# KiCad board kim-1.kicad_pcb (continued)
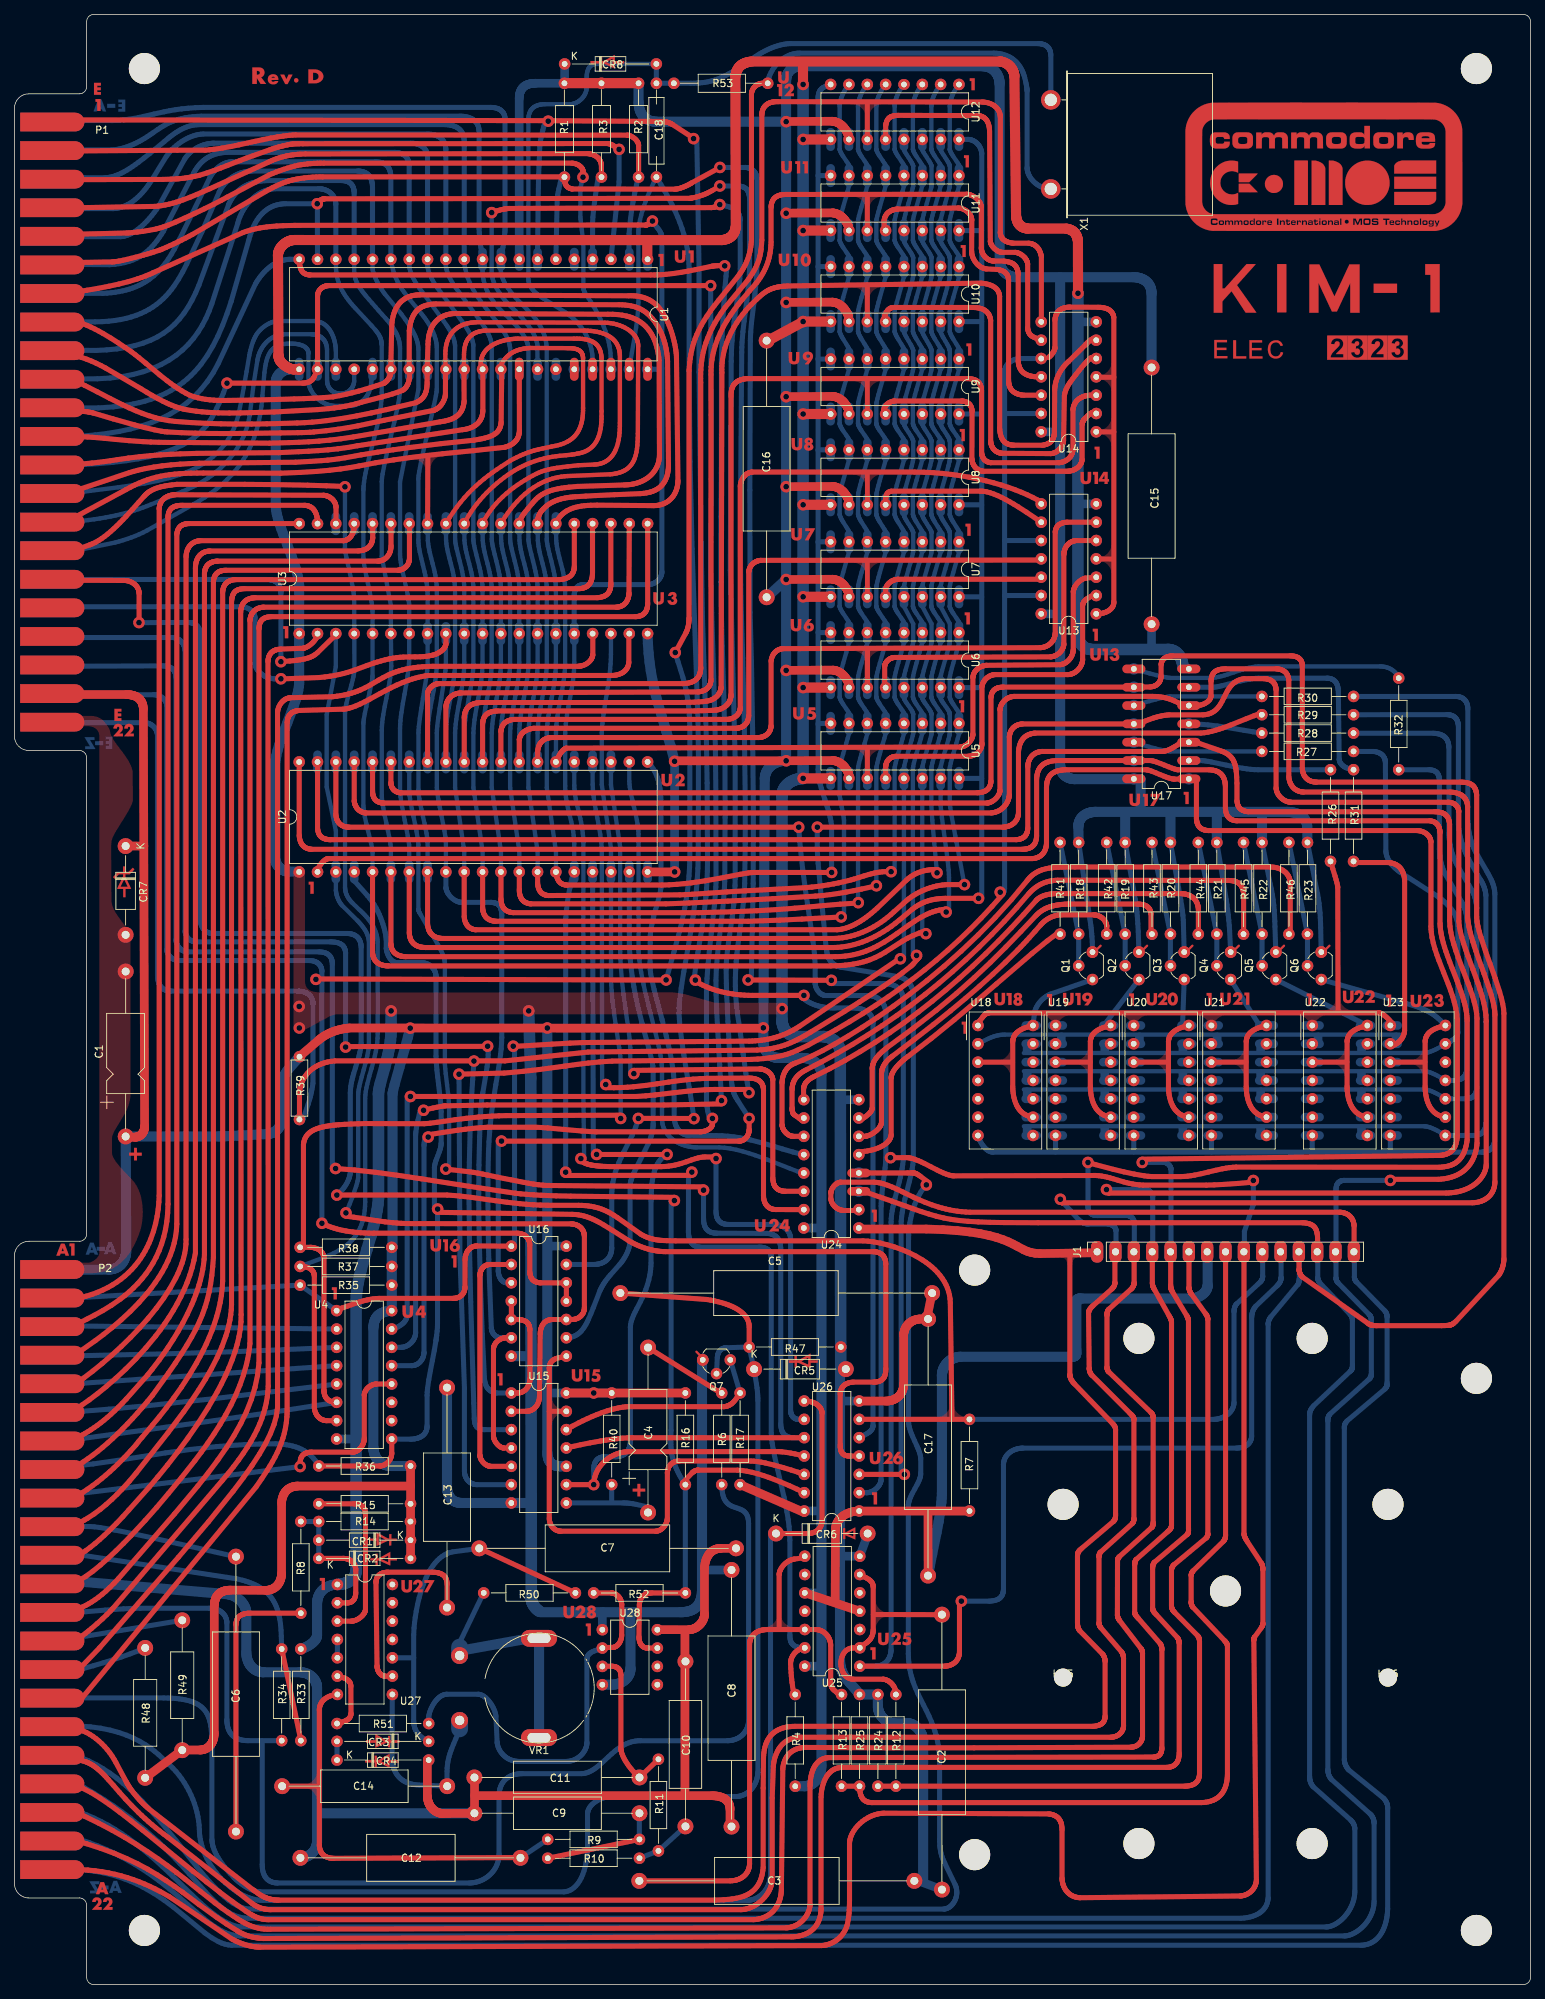
[diagram p0: board, top side]
## Routing (per net, layer and track width the routed paths; a pad name or vN(x,y) marks a point on that pad's centre or on a via; arc(x,y) is an arc through that point) (continued)
/G: length 114.7
  Bottom w0.6: 198.2,125.28 197.89,125.48 197.54,125.69 197.12,125.92 196.89,126.04 196.65,126.16 196.4,126.27 196.16,126.36 195.92,126.44 195.7,126.51 195.48,126.55 195.38,126.55 195.28,126.56 139.82,126.56
  Bottom w0.7: 191.74,168.34 195.92,168.34 196.09,168.33 196.24,168.31 196.39,168.28 196.46,168.26 196.53,168.24 196.59,168.21 196.65,168.19 196.71,168.16 196.77,168.13 196.82,168.1 196.88,168.06 196.93,168.02 196.97,167.98 197.02,167.94 197.06,167.89 197.1,167.84 197.14,167.79 197.17,167.73 197.2,167.67 197.23,167.61 197.26,167.55 197.28,167.48 197.3,167.41 197.32,167.34 197.34,167.26 197.35,167.18 197.36,167.1 197.37,167.01 197.37,166.92 197.37,157.31 197.39,156.86 197.41,156.63 197.43,156.4 197.46,156.18 197.5,155.95 197.54,155.73 197.59,155.51 197.64,155.28 197.7,155.06 197.77,154.84 197.85,154.62 197.94,154.4 198.04,154.18 198.14,153.96 198.26,153.75 200.3,150.26 200.38,150.12 200.47,149.97 200.55,149.83 200.63,149.68 200.7,149.53 200.77,149.38 200.83,149.23 200.89,149.07 200.95,148.92 200.99,148.76 201.04,148.6 201.08,148.43 201.11,148.26 201.13,148.09 201.15,147.92 201.16,147.75 201.16,126.85 201.16,126.77 201.15,126.69 201.14,126.61 201.13,126.53 201.11,126.46 201.09,126.38 201.07,126.31 201.04,126.24 201.01,126.17 200.98,126.1 200.95,126.04 200.91,125.98 200.87,125.92 200.82,125.86 200.78,125.8 200.73,125.75 200.67,125.7 200.62,125.65 200.56,125.6 200.5,125.56 200.43,125.52 200.36,125.48 200.29,125.45 200.22,125.42 200.15,125.39 200.07,125.36 199.99,125.34 199.9,125.32 199.81,125.31 199.72,125.29 199.63,125.29 199.54,125.28 198.2,125.28
  Bottom w1.2: 161.84,126.25 161.84,125.3 ; 186.58,126.25 186.58,125.3 ; 140.27,126.25 140.27,125.3 ; 151.02,126.25 151.02,125.3 ; 172.61,126.25 172.61,125.3
/K0: length 268
  Top w0.7: 122.56,142.14 108.76,132.8 108.31,132.52 107.86,132.26 107.41,132.02 106.97,131.81 106.52,131.63 106.08,131.46 105.64,131.32 105.21,131.19 104.78,131.08 104.34,130.99 103.91,130.92 103.49,130.86 103.06,130.81 102.63,130.77 102.21,130.75 101.79,130.73 78.73,130.53 76.94,130.46 74.46,130.31 69.09,129.99 ; 68.82,102.32 64.07,102.35 63.97,102.34 63.87,102.33 63.77,102.32 63.68,102.3 63.59,102.28 63.5,102.25 63.42,102.21 63.34,102.18 63.26,102.13 63.19,102.09 63.12,102.04 63.06,101.98 62.99,101.93 62.93,101.87 62.88,101.8 62.83,101.73 62.78,101.66 62.73,101.59 62.69,101.52 62.65,101.44 62.57,101.28 62.52,101.11 62.47,100.93 62.44,100.75 62.42,100.57 62.41,100.38 62.41,96.7 62.41,96.61 62.4,96.52 62.39,96.44 62.38,96.35 62.36,96.27 62.34,96.2 62.32,96.12 62.29,96.04 62.26,95.97 62.23,95.9 62.19,95.84 62.16,95.77 62.11,95.71 62.07,95.65 62.02,95.59 61.97,95.54 61.92,95.49 61.86,95.44 61.8,95.39 61.74,95.35 61.67,95.31 61.6,95.27 61.53,95.24 61.46,95.21 61.38,95.18 61.3,95.16 61.22,95.14 61.13,95.12 61.05,95.11 60.96,95.1 60.86,95.09 60.77,95.09 50.53,95.09 50.09,95.06 49.67,95.01 49.27,94.95 48.88,94.87 48.51,94.79 48.14,94.69 47.78,94.58 47.43,94.47 46.06,93.98 45.37,93.75 45.01,93.64 44.65,93.54
  Bottom w0.6: 123.2,142.14 123.2,168.53 123.22,168.68 123.26,168.9 123.4,169.49 123.61,170.22 123.84,171.01 124.28,172.51 124.43,173.08 124.47,173.28 124.49,173.42 124.49,175.99 124.48,176.06 124.47,176.12 124.46,176.19 124.43,176.25 124.4,176.33 124.37,176.4 124.29,176.55 124.19,176.71 124.08,176.87 123.85,177.19 123.62,177.52 123.51,177.67 123.41,177.83 123.33,177.97 123.29,178.04 123.27,178.1 123.24,178.17 123.22,178.23 123.21,178.28 123.2,178.34 123.2,181.13 123.22,181.28 123.26,181.49 123.41,182.07 123.85,183.6 124.09,184.4 124.29,185.13 124.44,185.72 124.48,185.94 124.49,186.1 124.49,188.56 123.2,190.97 123.2,193.66 123.22,193.81 123.26,194.03 123.41,194.62 123.86,196.16 124.09,196.97 124.3,197.71 124.44,198.3 124.48,198.52 124.49,198.67 124.49,201.18 124.48,201.23 124.47,201.28 124.45,201.34 124.43,201.41 124.37,201.55 124.28,201.7 124.19,201.86 124.08,202.04 123.85,202.4 123.61,202.76 123.51,202.94 123.41,203.11 123.33,203.28 123.26,203.43 123.24,203.5 123.22,203.56 123.21,203.63 123.2,203.68 123.2,206.38 123.22,206.53 123.26,206.74 123.41,207.33 123.85,208.89 124.09,209.71 124.29,210.46 124.44,211.05 124.48,211.28 124.49,211.43 124.49,213.81 124.49,213.87 124.48,213.93 124.46,214 124.43,214.07 124.37,214.22 124.29,214.38 124.19,214.55 124.09,214.73 123.85,215.09 123.61,215.45 123.51,215.62 123.41,215.78 123.33,215.93 123.26,216.07 123.24,216.14 123.22,216.2 123.21,216.25 123.2,216.3 123.2,218.96 123.22,219.11 123.26,219.32 123.41,219.91 123.85,221.46 124.09,222.28 124.3,223.02 124.44,223.62 124.48,223.83 124.49,223.99 124.49,226.39 124.49,226.44 124.48,226.51 124.46,226.57 124.44,226.64 124.37,226.8 124.29,226.97 124.2,227.16 124.09,227.35 123.85,227.75 123.62,228.15 123.51,228.34 123.41,228.52 123.33,228.69 123.26,228.84 123.22,228.98 123.21,229.04 123.2,229.09 123.2,231.76 123.22,231.89 123.26,232.1 123.41,232.68 123.86,234.24 124.09,235.07 124.3,235.84 124.44,236.46 124.48,236.69 124.49,236.86 124.49,239.23 124.48,239.29 124.47,239.35 124.45,239.42 124.43,239.49 124.37,239.63 124.29,239.79 124.19,239.96 124.08,240.13 123.85,240.48 123.62,240.83 123.51,240.99 123.41,241.15 123.33,241.31 123.27,241.45 123.24,241.51 123.22,241.58 123.21,241.63 123.2,241.69 123.2,244.37 123.22,244.5 123.26,244.71 123.4,245.28 123.83,246.83 124.28,248.38 124.43,248.96 124.47,249.16 124.49,249.3 124.49,251.97 124.48,252.02 124.47,252.07 124.43,252.19 124.36,252.33 124.28,252.48 124.18,252.65 124.07,252.82 123.84,253.18 123.61,253.53 123.4,253.86 123.32,254 123.26,254.12 123.22,254.22 123.21,254.26 123.2,254.3
  Bottom w0.7: 8.24,95.15 39.57,96.93 44.63,93.37 ; 69.27,102.32 69.27,130.03
  vias: v1(69.09,130.03) v1(122.71,142.14)
/K1: length 36.8
  Bottom w0.7: 7.86,91.27 44.63,90.84
/K2: length 37
  Bottom w0.7: 44.63,88.3 44.61,88.29 30.54,87.7 21.02,87.4 7.63,87.11
/K3: length 37
  Bottom w0.7: 7.69,83.21 44.63,85.76
/K4: length 37.3
  Bottom w0.7: 44.62,83.21 27.43,81.17 18.16,80.19 13.06,79.73 7.51,79.3
/K5: length 189.7
  Top w0.7: 83.98,120.47 68.12,120.41 67.11,120.38 66.13,120.34 65.18,120.28 64.28,120.21 62.59,120.04 61.07,119.85 58.55,119.49 57.56,119.36 57.13,119.31 56.76,119.29 48.62,119.31 47.59,119.28 46.63,119.25 45.74,119.2 44.92,119.14 44.53,119.11 44.16,119.07 43.81,119.03 43.47,118.98 43.15,118.92 42.85,118.87 42.56,118.8 42.29,118.73 42.04,118.65 41.8,118.56 41.57,118.47 41.37,118.37 41.17,118.26 41,118.14 40.83,118.01 40.69,117.88 40.55,117.73 40.44,117.58 40.33,117.41 40.24,117.23 40.17,117.05 40.11,116.85 40.06,116.63 40.03,116.41 40.03,102.16 ; 39.58,102.16 40.97,102.16 41.14,102.15 41.31,102.13 41.47,102.1 41.64,102.06 41.8,102 41.96,101.94 42.11,101.86 42.25,101.77 42.31,101.72 42.38,101.67 42.44,101.62 42.5,101.56 42.55,101.5 42.6,101.44 42.65,101.37 42.69,101.3 42.73,101.23 42.76,101.15 42.79,101.07 42.82,100.99 42.84,100.91 42.86,100.82 42.87,100.73 42.87,100.63 42.87,82.43 42.87,82.32 42.88,82.22 42.88,82.12 42.89,82.03 42.91,81.94 42.93,81.85 42.95,81.76 42.97,81.68 43,81.6 43.03,81.53 43.07,81.45 43.11,81.39 43.15,81.32 43.2,81.26 43.24,81.2 43.3,81.14 43.35,81.09 43.41,81.04 43.48,80.99 43.54,80.95 43.61,80.91 43.69,80.87 43.76,80.84 43.84,80.81 43.93,80.78 44.02,80.76 44.11,80.74 44.2,80.73 44.3,80.71 44.4,80.7 44.51,80.7 44.62,80.69
  Bottom w0.6: 83.97,120.01 83.97,127.98 83.91,128.74 83.76,129.84 83.32,132.76 83.08,134.42 82.87,136.12 82.71,137.77 82.66,138.55 82.63,139.3 82.63,157.44 81.35,166.28 81.35,173.44 81.39,174.08 81.44,174.73 81.6,176.06 81.81,177.43 82.03,178.82 82.25,180.22 82.44,181.61 82.51,182.31 82.57,183 82.61,183.68 82.62,184.35 82.62,187.18
  Bottom w0.7: 44.63,80.68 35.89,79.33 26.65,78.01 7.39,75.4
  vias: v1(83.97,120.02)
/K6: length 181.2
  Top w0.7: 45.85,207.59 43.21,207.69 40.61,207.76 36.27,207.85 31.9,207.88 22.48,207.88 21.79,207.8 21.46,207.76 21.13,207.71 20.81,207.65 20.49,207.58 20.19,207.51 19.9,207.43 19.61,207.33 19.34,207.22 19.08,207.1 18.82,206.96 18.7,206.89 18.59,206.81 18.47,206.72 18.36,206.63 18.25,206.54 18.15,206.44 18.05,206.33 17.95,206.22 17.19,205.37 16.33,204.4 15.46,203.45 15.03,202.99 14.6,202.55 14.18,202.13 13.75,201.73 13.33,201.35 12.91,200.99 12.49,200.66 12.07,200.36 11.66,200.09 11.25,199.86 10.84,199.66 10.63,199.58 10.43,199.5 7.9,198.57 ; 39.57,99.52 39.78,99.51 39.98,99.5 40.17,99.47 40.35,99.44 40.52,99.39 40.68,99.34 40.83,99.27 40.97,99.2 41.03,99.15 41.09,99.11 41.15,99.06 41.21,99.01 41.26,98.96 41.3,98.9 41.34,98.84 41.38,98.78 41.42,98.71 41.45,98.65 41.47,98.58 41.5,98.5 41.51,98.43 41.53,98.35 41.53,98.27 41.54,98.18 41.54,80.08 41.55,79.89 41.57,79.71 41.61,79.53 41.66,79.35 41.73,79.19 41.77,79.11 41.81,79.03 41.85,78.95 41.9,78.88 41.95,78.81 42.01,78.74 42.06,78.68 42.13,78.61 42.19,78.56 42.25,78.5 42.32,78.45 42.4,78.4 42.47,78.35 42.55,78.31 42.63,78.28 42.71,78.24 42.8,78.21 42.89,78.19 42.98,78.17 43.07,78.16 43.17,78.15 43.27,78.14 44.62,78.14
  Bottom w0.6: 39.53,99.5 42.67,100.68 43.44,100.99 44.18,101.33 44.9,101.71 45.57,102.13 45.89,102.37 46.2,102.62 46.49,102.88 46.77,103.17 47.04,103.47 47.28,103.79 47.51,104.14 47.72,104.51 47.91,104.9 48.07,105.32 48.22,105.76 48.34,106.23 48.44,106.74 48.51,107.27 48.56,107.83 48.58,108.43 48.58,122.79 48.61,123.26 48.66,123.75 48.75,124.25 48.87,124.77 49.15,125.84 49.46,126.95 49.78,128.1 49.92,128.69 50.05,129.29 50.16,129.9 50.24,130.52 50.3,131.15 50.31,131.78 50.31,144.44 50.29,144.77 50.24,145.09 50.18,145.41 50.09,145.71 49.98,146.02 49.85,146.31 49.71,146.6 49.55,146.88 49.37,147.16 49.18,147.43 48.98,147.69 48.76,147.95 48.54,148.2 48.3,148.44 48.06,148.68 47.81,148.91 46.79,149.89 46.67,150.02 46.56,150.14 46.46,150.27 46.36,150.4 46.27,150.53 46.19,150.66 46.11,150.79 46.05,150.92 45.99,151.06 45.94,151.19 45.9,151.33 45.86,151.47 45.83,151.61 45.81,151.75 45.8,151.89 45.79,152.03 45.79,176.15 45.81,176.48 45.85,176.84 45.92,177.21 46,177.6 46.2,178.41 46.44,179.24 46.67,180.06 46.87,180.85 46.96,181.23 47.02,181.58 47.07,181.92 47.09,182.22 47.06,191.84 47.04,192.25 47,192.7 46.93,193.17 46.85,193.67 46.65,194.71 46.42,195.77 45.98,197.72 45.84,198.52 45.8,198.84 45.78,199.12 45.78,207.52
  vias: v1(45.78,207.54)
/K7: length 236.7
  Top w0.7: 117.02,73.24 115.71,73.24 115.6,73.24 115.49,73.25 115.38,73.26 115.28,73.28 115.19,73.3 115.11,73.33 115.03,73.35 114.96,73.39 114.89,73.43 114.83,73.47 114.77,73.51 114.72,73.56 114.68,73.6 114.63,73.66 114.6,73.71 114.56,73.77 114.53,73.82 114.51,73.88 114.48,73.95 114.46,74.01 114.43,74.14 114.41,74.27 114.39,74.41 114.39,74.54 114.38,74.81 114.38,81.85 114.39,81.94 114.39,82.03 114.41,82.12 114.42,82.2 114.44,82.28 114.47,82.37 114.49,82.44 114.53,82.52 114.56,82.59 114.6,82.66 114.64,82.73 114.68,82.79 114.73,82.85 114.78,82.91 114.84,82.97 114.9,83.02 114.96,83.07 115.02,83.12 115.09,83.16 115.16,83.21 115.23,83.25 115.31,83.28 115.39,83.32 115.47,83.35 115.64,83.4 115.82,83.44 116.01,83.47 116.2,83.48 118.96,83.48 119.11,83.49 119.25,83.49 119.38,83.51 119.5,83.53 119.61,83.55 119.72,83.58 119.82,83.61 119.91,83.65 119.99,83.69 120.07,83.74 120.15,83.79 120.21,83.85 120.28,83.9 120.33,83.96 120.38,84.03 120.43,84.09 120.47,84.16 120.51,84.23 120.54,84.31 120.57,84.39 120.61,84.54 120.65,84.71 120.67,84.88 120.68,85.05 120.69,85.23 120.7,85.4 120.69,99.78 120.69,99.95 120.67,100.12 120.65,100.28 120.61,100.44 120.58,100.52 120.55,100.6 120.52,100.67 120.49,100.74 120.45,100.81 120.4,100.88 120.36,100.95 120.31,101.01 120.25,101.07 120.19,101.13 120.13,101.19 120.06,101.24 119.99,101.29 119.91,101.33 119.83,101.37 119.74,101.41 119.65,101.44 119.56,101.47 119.46,101.5 119.35,101.52 119.24,101.54 119.12,101.55 119,101.56 118.87,101.56 90.13,101.56 89.87,101.57 89.61,101.59 89.36,101.61 89.11,101.64 88.86,101.68 88.62,101.72 88.39,101.77 88.16,101.82 87.93,101.88 87.71,101.94 87.3,102.06 86.91,102.2 86.55,102.34 86.23,102.48 85.94,102.61 85.68,102.74 85.47,102.85 85.18,103.02 85.08,103.08 82.83,104.51 81.67,105.23 81.04,105.6 80.71,105.77 80.37,105.94 80.02,106.1 79.66,106.25 79.29,106.38 78.91,106.49 78.52,106.59 78.11,106.66 77.7,106.71 77.27,106.73 58.63,107.01 ; 52.26,75.6 52.26,73.68 52.26,73.59 52.25,73.51 52.24,73.42 52.23,73.34 52.21,73.25 52.19,73.17 52.16,73.09 52.13,73.01 52.1,72.93 52.07,72.85 52.03,72.78 51.98,72.7 51.94,72.63 51.89,72.56 51.83,72.49 51.78,72.43 51.72,72.36 51.66,72.31 51.6,72.25 51.53,72.2 51.46,72.15 51.39,72.1 51.32,72.06 51.24,72.02 51.16,71.98 51.08,71.95 51,71.92 50.92,71.9 50.83,71.88 50.75,71.87 50.66,71.86 50.57,71.86 42.17,71.86
  Bottom w0.7: 42.17,71.86 41.93,72.25 41.67,72.61 41.4,72.95 41.11,73.25 40.8,73.52 40.47,73.77 40.12,73.99 39.76,74.18 39.37,74.35 38.97,74.5 38.55,74.62 38.11,74.72 37.66,74.8 37.18,74.87 36.68,74.91 36.17,74.94 33.98,74.9 31.9,74.82 29.9,74.7 27.99,74.54 24.35,74.15 20.9,73.67 14.26,72.63 10.9,72.14 7.39,71.73 ; 47.07,153.38 47.07,152.94 48.9,150.88 49.24,150.49 49.55,150.07 49.83,149.63 50.09,149.18 50.33,148.73 50.54,148.27 50.73,147.82 50.9,147.37 51.04,146.94 51.17,146.53 51.27,146.14 51.35,145.78 51.42,145.46 51.46,145.17 51.49,144.93 51.5,144.74 51.5,143.68 51.5,143.56 51.52,143.42 51.55,143.27 51.59,143.11 51.64,142.94 51.7,142.77 51.77,142.6 51.86,142.43 51.96,142.27 52.06,142.12 52.12,142.05 52.18,141.99 52.24,141.92 52.31,141.87 52.38,141.81 52.45,141.77 52.52,141.73 52.6,141.69 52.68,141.66 52.76,141.64 52.84,141.63 52.93,141.62 56.25,141.62 56.36,141.62 56.47,141.61 56.58,141.6 56.68,141.58 56.79,141.56 56.89,141.53 56.99,141.5 57.09,141.47 57.18,141.43 57.27,141.39 57.36,141.34 57.45,141.29 57.53,141.24 57.61,141.19 57.69,141.13 57.76,141.06 57.83,141 57.9,140.93 57.96,140.86 58.02,140.78 58.08,140.7 58.13,140.62 58.18,140.54 58.22,140.45 58.26,140.36 58.29,140.27 58.32,140.18 58.34,140.08 58.36,139.99 58.38,139.89 58.39,139.79 58.39,139.68 58.39,128.66 58.43,127.74 58.52,126.77 58.62,125.75 58.75,124.73 58.98,122.72 59.06,121.8 59.11,120.95 59.11,116.59 59.1,116.49 59.1,116.39 59.07,116.18 59.02,115.97 58.96,115.76 58.89,115.54 58.82,115.31 58.65,114.87 58.48,114.42 58.4,114.21 58.33,113.99 58.26,113.79 58.22,113.59 58.19,113.39 58.17,113.21 58.17,107.51 58.6,107.04 58.6,91.67 58.59,91.13 58.55,90.54 58.48,89.92 58.39,89.27 58.16,87.9 57.89,86.5 57.63,85.11 57.39,83.81 57.22,82.64 57.17,82.12 57.16,81.66 57.16,77.43 57.15,77.31 57.15,77.2 57.13,77.09 57.11,76.99 57.09,76.89 57.06,76.79 57.02,76.7 56.98,76.61 56.94,76.53 56.89,76.45 56.84,76.37 56.78,76.3 56.72,76.23 56.65,76.16 56.58,76.1 56.5,76.04 56.42,75.98 56.34,75.93 56.25,75.88 56.16,75.84 56.07,75.8 55.97,75.76 55.87,75.73 55.77,75.69 55.66,75.67 55.55,75.64 55.44,75.62 55.32,75.61 55.09,75.58 54.84,75.57 52.25,75.59 ; 58.48,89.93 58.39,89.28
  vias: v1(58.62,107.46)
/KBD: length 217.4
  Top w0.7: 83.92,95.83 95.93,94.92 96.46,94.83 96.95,94.73 97.41,94.63 97.84,94.51 98.25,94.4 98.62,94.27 98.97,94.14 99.29,94.01 99.58,93.88 99.85,93.74 100.1,93.6 100.33,93.45 100.53,93.31 100.71,93.17 100.88,93.02 101.03,92.88 101.27,92.59 101.45,92.32 101.59,92.05 101.68,91.81 101.73,91.58 101.76,91.39 101.77,91.09 101.77,88.35
  Bottom w0.7: 97.25,84.65 97.35,86.83 97.36,86.98 97.38,87.12 97.41,87.26 97.45,87.39 97.47,87.46 97.5,87.52 97.53,87.57 97.56,87.63 97.59,87.69 97.62,87.74 97.66,87.79 97.7,87.83 97.74,87.88 97.78,87.92 97.82,87.96 97.87,88 97.92,88.04 97.97,88.07 98.03,88.1 98.08,88.13 98.14,88.15 98.2,88.17 98.27,88.19 98.33,88.21 98.4,88.22 98.47,88.23 98.54,88.24 98.61,88.24 R47.2 102.45,85.28 102.53,84.75 102.61,84.23 102.78,83.21 102.86,82.68 102.92,82.13 102.94,81.84 102.96,81.55 102.97,81.24 102.98,80.92 102.98,29.46 102.96,29.28 102.95,29.09 102.92,28.91 102.89,28.74 102.85,28.57 102.8,28.4 102.75,28.24 102.69,28.09 102.63,27.94 102.56,27.79 102.48,27.65 102.4,27.52 102.32,27.39 102.23,27.26 102.13,27.14 102.04,27.03 101.93,26.92 101.83,26.82 101.72,26.73 101.6,26.64 101.49,26.55 101.37,26.48 101.24,26.41 101.12,26.34 100.99,26.28 100.86,26.23 100.73,26.18 100.6,26.15 100.46,26.11 100.32,26.09 100.19,26.07 100.05,26.06 82.69,26.06 82.42,26.04 82.14,26 81.86,25.94 81.58,25.86 81.31,25.76 81.04,25.64 80.78,25.51 80.53,25.36 80.3,25.2 80.08,25.02 79.99,24.92 79.89,24.82 79.81,24.72 79.73,24.62 79.65,24.51 79.59,24.4 79.53,24.28 79.48,24.17 79.44,24.05 79.41,23.93 79.39,23.8 79.38,23.68 79.38,19.14 79.34,18.35 79.28,17.62 79.18,16.94 79.05,16.32 78.89,15.76 78.72,15.24 78.51,14.78 78.29,14.38 78.05,14.02 77.8,13.71 77.53,13.45 77.25,13.24 76.97,13.08 76.68,12.95 76.38,12.88 76.09,12.84 34.05,12.84 33.93,12.85 33.81,12.86 33.57,12.9 33.32,12.96 33.07,13.05 32.82,13.14 32.57,13.26 32.32,13.38 32.08,13.52 31.84,13.67 31.61,13.83 31.38,13.99 31.17,14.15 30.96,14.32 30.76,14.49 30.58,14.65 30.41,14.81 29.89,15.38 29.63,15.67 29.37,15.98 29.11,16.3 28.86,16.62 28.62,16.95 28.39,17.28 28.18,17.62 27.99,17.96 27.82,18.31 27.67,18.66 27.54,19.01 27.49,19.18 27.45,19.36 27.41,19.53 27.38,19.71 27.37,19.88 27.35,20.05 27.35,32.85 27.35,33.67 27.32,34.43 27.28,35.14 27.2,35.81 27.08,36.42 27.01,36.7 26.92,36.98 26.81,37.24 26.69,37.49 26.56,37.72 26.4,37.95 26.23,38.16 26.04,38.35 25.83,38.54 25.59,38.71 25.33,38.86 25.05,39.01 24.75,39.14 24.41,39.26 24.06,39.36 23.67,39.45 23.25,39.53 22.8,39.59 22.33,39.64 21.81,39.68 21.27,39.71 20.69,39.72 7.81,39.72
/KBD_R: length 16.3
  Bottom w0.7: 7.13,47.82 23.24,50.48
/KD1: length 89
  Top w0.7: 109.35,107.38 105.52,107.39 105.4,107.4 105.28,107.41 105.17,107.42 105.07,107.44 104.96,107.46 104.87,107.49 104.78,107.53 104.69,107.56 104.61,107.61 104.53,107.65 104.45,107.71 104.38,107.76 104.32,107.82 104.26,107.88 104.2,107.94 104.15,108.01 104.1,108.08 104.05,108.15 104.01,108.23 103.97,108.3 103.9,108.46 103.85,108.63 103.8,108.8 103.78,108.97 103.76,109.15 103.75,109.32 103.75,123.92 103.75,124.03 103.74,124.14 103.73,124.24 103.71,124.34 103.69,124.43 103.67,124.53 103.64,124.61 103.6,124.69 103.56,124.77 103.52,124.85 103.48,124.92 103.43,124.99 103.37,125.05 103.32,125.11 103.25,125.17 103.19,125.22 103.12,125.27 103.05,125.31 102.98,125.35 102.9,125.39 102.82,125.43 102.74,125.46 102.56,125.51 102.38,125.56 102.18,125.58 101.98,125.6 101.77,125.61 95.91,125.57 94.94,125.53 94.01,125.46 93.12,125.38 92.26,125.28 90.62,125.06 89.02,124.82 87.42,124.59 85.77,124.41 84.9,124.34 83.99,124.3 83.05,124.28 82.05,124.28
  Bottom w0.6: 80.09,169.46 80.09,166.29 80.12,165.69 80.17,165.09 80.24,164.51 80.32,163.93 80.52,162.79 80.73,161.67 80.95,160.54 81.14,159.4 81.22,158.82 81.28,158.23 81.33,157.63 81.36,157.02 81.4,124.71
  vias: v1(81.9,124.72)
/KD2: length 82.5
  Top w0.7: 85.81,126.68 103.21,126.88 103.3,126.87 103.4,126.87 103.49,126.85 103.58,126.84 103.67,126.82 103.76,126.79 103.84,126.77 103.92,126.74 104.01,126.7 104.08,126.67 104.16,126.63 104.24,126.58 104.31,126.54 104.38,126.49 104.44,126.44 104.5,126.39 104.57,126.33 104.62,126.27 104.68,126.22 104.73,126.15 104.77,126.09 104.82,126.03 104.86,125.97 104.9,125.9 104.93,125.83 104.96,125.77 104.98,125.7 105,125.63 105.02,125.56 105.03,125.5 105.04,125.43 105.04,125.36 105.04,111.78 105.05,111.58 105.07,111.39 105.1,111.21 105.12,111.12 105.15,111.03 105.17,110.95 105.2,110.87 105.24,110.79 105.27,110.72 105.31,110.65 105.36,110.58 105.41,110.51 105.46,110.45 105.51,110.39 105.57,110.33 105.63,110.28 105.7,110.23 105.77,110.18 105.84,110.14 105.92,110.1 106,110.07 106.08,110.04 106.17,110.01 106.26,109.98 106.36,109.96 106.46,109.95 106.57,109.94 106.68,109.93 106.8,109.93 109.34,109.93
  Bottom w0.6: 82.62,169.47 82.62,166.25 83.9,157.65 83.9,143.14 83.93,142.1 83.99,141.07 84.15,139.07 84.37,137.16 84.61,135.37 85.06,132.23 85.22,130.92 85.3,129.81 85.3,126.22
  vias: v1(85.8,126.23)
/KD3: length 72.6
  Bottom w0.6: 109.3,112.44 108.95,112.52 108.5,112.67 107.35,113.1 104.31,114.3 102.58,114.92 101.71,115.21 100.84,115.46 99.99,115.68 99.16,115.85 98.37,115.96 97.62,116.01 94.51,116.01 94.28,116.02 94.04,116.03 93.81,116.06 93.58,116.09 93.36,116.14 93.13,116.19 92.91,116.25 92.7,116.31 92.49,116.39 92.28,116.47 92.08,116.56 91.89,116.66 91.7,116.76 91.52,116.87 91.34,116.99 91.17,117.11 91.01,117.24 90.85,117.38 90.71,117.52 90.57,117.67 90.44,117.83 90.32,117.99 90.21,118.16 90.11,118.33 90.02,118.51 89.94,118.69 89.87,118.88 89.81,119.07 89.76,119.27 89.73,119.47 89.7,119.68 89.69,119.89 89.69,126.77 89.68,127.08 89.66,127.4 89.6,128.03 89.5,128.69 89.38,129.36 89.23,130.05 89.07,130.76 88.69,132.28 88.1,134.54 87.81,135.71 87.52,136.89 87.32,137.73 87.14,138.58 86.96,139.44 86.8,140.29 86.67,141.13 86.56,141.93 86.48,142.7 86.46,143.07 86.44,143.42 86.44,159.42 86.42,159.87 86.37,160.33 86.31,160.8 86.23,161.28 86.03,162.24 85.81,163.2 85.58,164.15 85.38,165.06 85.3,165.51 85.24,165.93 85.19,166.35 85.17,166.74 85.17,169.47 ; 108.94,112.53 109.29,112.44
/KD4: length 70.1
  Bottom w0.7: 87.7,169.47 87.85,169.3 88,169.12 88.14,168.95 88.27,168.77 88.51,168.41 88.72,168.05 88.89,167.68 89.04,167.3 89.16,166.92 89.26,166.54 89.35,166.15 89.41,165.76 89.46,165.37 89.5,164.98 89.52,164.58 89.54,164.18 89.56,163.38 89.56,152.27 89.54,151.93 89.49,151.56 89.41,151.17 89.31,150.76 89.07,149.88 88.8,148.93 88.53,147.94 88.41,147.44 88.29,146.94 88.2,146.44 88.13,145.94 88.08,145.45 88.06,144.96 88.07,144.34 88.07,143.75 88.05,142.65 88.04,141.63 88.04,141.15 88.06,140.68 88.11,140.16 88.22,139.51 88.6,137.88 89.7,133.73 90.29,131.44 90.8,129.16 91.01,128.07 91.18,127.03 91.3,126.04 91.35,125.14 91.39,120.04 91.42,119.78 91.47,119.52 91.53,119.29 91.61,119.06 91.65,118.96 91.7,118.85 91.75,118.76 91.81,118.66 91.87,118.57 91.93,118.49 91.99,118.4 92.06,118.33 92.13,118.25 92.2,118.18 92.27,118.12 92.35,118.06 92.43,118 92.51,117.95 92.6,117.9 92.69,117.86 92.77,117.82 92.87,117.78 92.96,117.75 93.05,117.73 93.15,117.71 93.25,117.69 93.35,117.68 93.45,117.68 97.19,117.64 98.03,117.62 98.85,117.56 99.66,117.46 100.45,117.34 101.22,117.2 101.98,117.03 103.47,116.65 104.93,116.23 106.39,115.79 107.84,115.36 109.32,114.97
/PA0: length 155.4
  Top w0.7: 41.99,187.18 41.99,187.11 41.98,187.03 41.96,186.95 41.94,186.87 41.91,186.79 41.87,186.71 41.83,186.63 41.78,186.54 41.67,186.38 41.55,186.21 41.41,186.05 41.26,185.9 41.1,185.75 40.93,185.62 40.77,185.5 40.59,185.39 40.43,185.3 40.34,185.27 40.26,185.24 40.18,185.21 40.1,185.19 40.03,185.18 39.95,185.17 36.93,185.06 36.74,185.05 36.56,185.02 36.38,184.99 36.3,184.97 36.21,184.94 36.13,184.91 36.06,184.88 35.98,184.85 35.91,184.81 35.84,184.77 35.77,184.73 35.71,184.68 35.65,184.63 35.59,184.58 35.53,184.52 35.48,184.46 35.43,184.39 35.39,184.33 35.34,184.25 35.3,184.18 35.27,184.1 35.24,184.01 35.21,183.93 35.18,183.83 35.16,183.74 35.15,183.64 35.13,183.53 35.12,183.43 35.12,183.31 35.15,82.92 35.11,82.18 35.02,81.44 34.9,80.71 34.73,79.96 34.53,79.21 34.27,78.46 33.97,77.69 33.62,76.9 33.22,76.1 32.76,75.28 32.25,74.44 31.67,73.57 31.04,72.68 30.35,71.76 29.59,70.81 28.77,69.83 13.63,52.12 13.3,51.76 12.8,51.26 12.18,50.67 11.46,50.02 10.68,49.34 10.28,49.01 9.87,48.69 9.47,48.39 9.07,48.1 8.68,47.84 8.31,47.61 7.3,47.61
/PA1: length 137.6
  Top w0.7: 39.44,202.45 24.22,202.45 24.12,202.45 24.02,202.44 23.93,202.43 23.84,202.42 23.75,202.41 23.66,202.39 23.58,202.37 23.5,202.35 23.42,202.32 23.35,202.29 23.28,202.26 23.21,202.23 23.15,202.19 23.09,202.15 23.03,202.1 22.98,202.06 22.93,202.01 22.88,201.95 22.83,201.9 22.79,201.84 22.75,201.78 22.71,201.71 22.67,201.65 22.64,201.58 22.61,201.51 22.59,201.43 22.56,201.35 22.54,201.27 22.53,201.19 22.51,201.11 22.49,200.93 22.49,105.38 22.43,104.5 22.31,103.63 22.13,102.77 21.89,101.94 21.6,101.11 21.26,100.3 20.88,99.51 20.45,98.74 19.99,97.99 19.49,97.25 18.96,96.53 18.41,95.84 17.25,94.5 16.03,93.26 14.78,92.1 13.54,91.05 12.35,90.09 11.22,89.24 8.03,86.99
/PA2: length 142
  Top w0.7: 42.02,202.46 42,202.73 41.97,202.99 41.93,203.24 41.91,203.36 41.88,203.47 41.85,203.58 41.82,203.69 41.78,203.79 41.74,203.89 41.7,203.99 41.65,204.08 41.6,204.17 41.55,204.26 41.49,204.34 41.43,204.41 41.36,204.48 41.29,204.55 41.22,204.61 41.15,204.67 41.07,204.72 40.98,204.77 40.9,204.82 40.8,204.86 40.71,204.89 40.61,204.92 40.5,204.94 40.4,204.96 40.28,204.97 40.17,204.98 23.29,204.98 23.05,204.97 22.83,204.96 22.62,204.93 22.52,204.91 22.42,204.89 22.33,204.86 22.24,204.84 22.16,204.8 22.08,204.77 22,204.73 21.93,204.69 21.86,204.64 21.79,204.59 21.73,204.54 21.67,204.48 21.62,204.42 21.57,204.36 21.52,204.29 21.48,204.21 21.44,204.14 21.41,204.06 21.37,203.97 21.35,203.88 21.32,203.78 21.31,203.68 21.29,203.58 21.28,203.47 21.27,203.36 21.27,203.24 21.27,108.15 21.22,106.92 21.11,105.75 20.93,104.65 20.68,103.6 20.38,102.62 20.03,101.68 19.63,100.8 19.19,99.98 18.71,99.2 18.2,98.47 17.65,97.78 17.09,97.14 16.5,96.54 15.9,95.99 15.29,95.47 14.67,94.99 13.43,94.12 12.23,93.39 11.1,92.76 10.07,92.23 9.19,91.77 8.49,91.39 8.01,91.05 7.86,90.89 7.78,90.74
/PA3: length 144.3
  Top w0.7: 8.12,94.97 9.03,95.16 9.9,95.38 10.72,95.63 11.5,95.92 12.24,96.23 12.93,96.58 13.58,96.95 14.19,97.34 14.76,97.76 15.3,98.19 15.8,98.65 16.26,99.12 16.7,99.6 17.09,100.1 17.46,100.61 17.8,101.14 18.11,101.66 18.39,102.2 18.64,102.74 18.87,103.28 19.25,104.36 19.55,105.43 19.77,106.48 19.92,107.48 20.01,108.43 20.05,109.31 20.05,204.44 20.05,204.56 20.06,204.67 20.08,204.78 20.1,204.89 20.12,204.99 20.15,205.09 20.19,205.19 20.23,205.28 20.28,205.37 20.33,205.46 20.38,205.55 20.44,205.63 20.51,205.7 20.58,205.78 20.65,205.85 20.72,205.91 20.8,205.98 20.88,206.03 20.97,206.09 21.06,206.14 21.15,206.19 21.24,206.23 21.34,206.27 21.44,206.31 21.54,206.34 21.65,206.36 21.75,206.39 21.86,206.41 21.97,206.42 22.08,206.43 22.19,206.44 22.31,206.44 42.78,206.37 42.86,206.36 42.94,206.36 43.02,206.34 43.1,206.33 43.18,206.31 43.26,206.28 43.34,206.26 43.42,206.23 43.49,206.19 43.57,206.16 43.64,206.12 43.71,206.07 43.78,206.02 43.85,205.97 43.92,205.92 43.98,205.87 44.04,205.81 44.1,205.75 44.16,205.68 44.21,205.62 44.26,205.55 44.3,205.48 44.35,205.41 44.38,205.33 44.42,205.26 44.45,205.18 44.48,205.1 44.5,205.01 44.52,204.93 44.53,204.85 44.54,204.76 44.54,204.67 44.54,202.44